# Allegro board LAY-90841_A4.brd (continued)
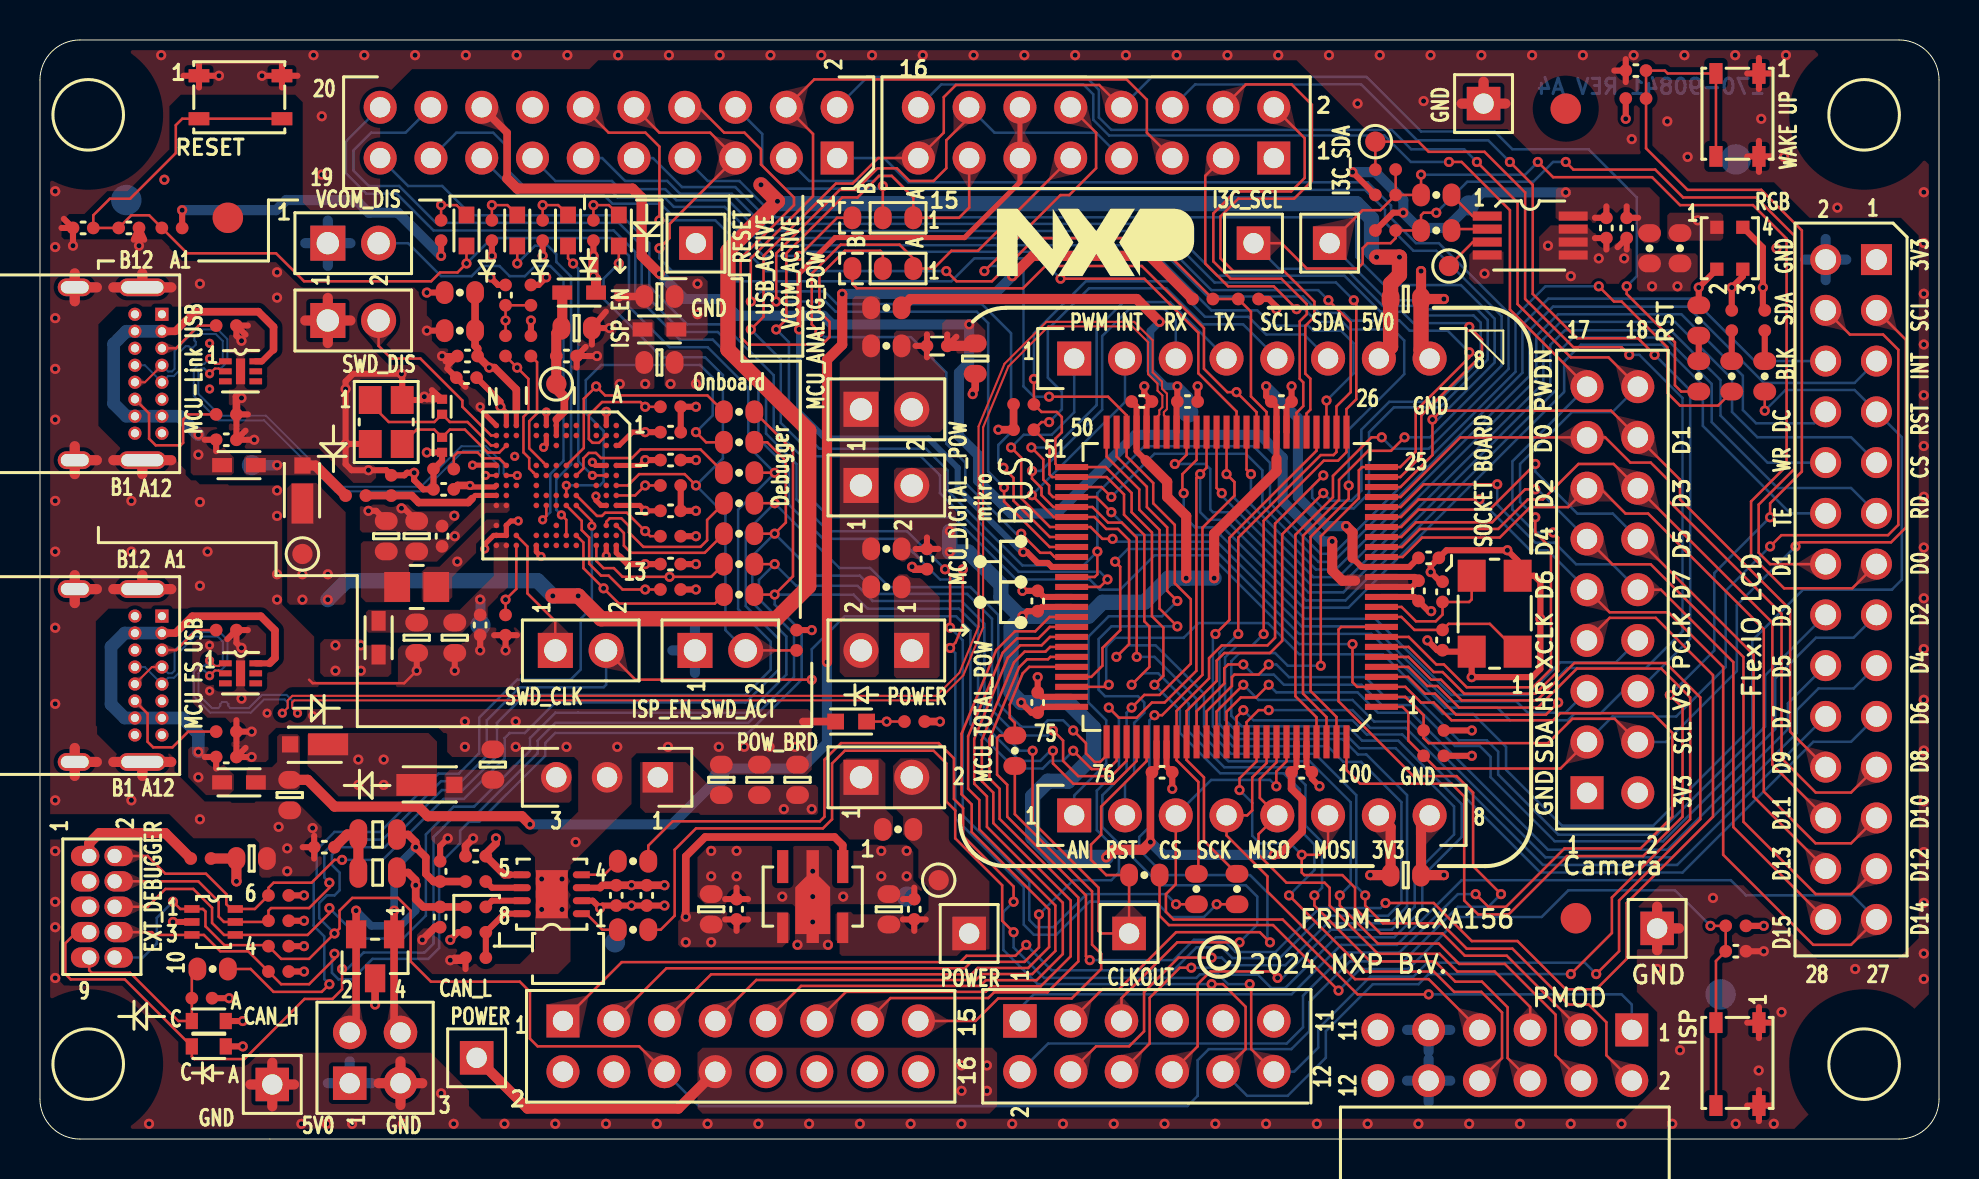
[diagram p0: board, top side]
## Routing (per net, layer and track width the routed paths; a pad name or vN(x,y) marks a point on that pad's centre or on a via; arc(x,y) is an arc through that point) (continued)
P2_10/LPUART2_TXD-ARD_D1_TX: length 29.1
  TOP w0.127: J1.4 60.33,52.77 62.61,52.77 63.63,51.76 63.63,47.95 62.74,47.06 59.94,47.06 59.05,46.17 59.05,44.07 59.69,43.43 62.23,43.43 63.75,41.91 63.75,41.15 63.3,40.69 63.3,38.3 63.55,38.05 63.55,36.5 63.36,36.31 U8.30
P2_11/LPUART2_RXD-ARD_D0_RX: length 24.2
  TOP w0.127: J1.2 63.27,50.08 63.27,48.1 62.59,47.42 59.8,47.42 58.7,46.32 58.7,43.92 59.56,43.05 62.1,43.05 63.37,41.78 63.37,41.27 63.02,40.92 63.02,38.04 63.2,37.87 63.2,36.68 62.86,36.34 U8.31
P2_12: length 47.9
  TOP w0.127: U8.34 61.36,36.38 60.58,37.16 60.58,41.4 R10.1 R8.2 55.63,45.09 49.78,45.09 47.62,42.93 45.85,42.93 v1(45.34,43.43) ; v1(30.99,45.97) 30.99,49.66 30.29,50.36 28.45,50.36 J2.12
  BOTTOM w0.127: v1(30.99,45.97) 33.78,45.97 36.32,43.43 v1(45.34,43.43)
P2_13/LPSPI1_SDO-ARD_D11: length 26.8
  TOP w0.127: U8.35 60.86,36.37 v1(59.86,37.38) 59.4,37.38 58.23,38.55 58.23,40.58 55.12,43.69 50.29,43.69 49.17,42.57 40.87,42.57 40.64,42.8 R60.3
P2_15/FXIO_LCD_INT: length 45.2
  TOP w0.127: v1(60.58,33.27) 60.36,33.5 U8.36
  BOTTOM w0.127: v1(60.58,33.27) 60.58,31.75 63.83,28.5 64.82,28.5 74.51,38.19 74.51,40.47 75.69,41.66 82.42,41.66 86.24,37.84 90.78,37.84 J8.5
P2_16: length 47.9
  TOP w0.127: v1(51.05,43.05) 55.24,43.05 57.95,40.35 57.95,38.32 59.86,36.41 U8.37 ; J2.10 30.99,50.36 33.53,50.36 J2.5 31.5,45.79 31.5,45.09 v1(30.99,44.58)
  BOTTOM w0.127: v1(30.99,44.58) 30.99,44.07 31.62,43.43 34.29,43.43 34.8,42.93 45.59,42.93 46.74,44.07 50.04,44.07 v1(51.05,43.05)
P2_17: length 87.9
  TOP w0.127: J4.3 53.15,7.5 53.98,7.5 56.83,10.35 61.02,10.35 v1(61.53,9.84) ; U8.38 v1(59.36,33.27) 59.75,32.88 59.75,32.19 58.15,30.59 58.15,23.23 56.13,21.21 v1(55.75,21.21)
  BOTTOM w0.127: v1(59.36,33.27) 59.75,32.88 59.75,32.07 63.71,28.12 64.95,28.12 74.86,38.03 74.86,40.19 75.95,41.27 82.11,41.27 85.19,38.2 85.19,36.48 85.85,35.81 88.75,35.81 J8.8 ; v1(55.75,21.21) 55.5,20.96 55.5,15.62 54.99,15.11 54.99,14.48 56.26,13.21 60.54,13.21 61.4,12.34 61.4,9.97 v1(61.53,9.84)
P2_19/FXIO_LCD_CS: length 48.5
  TOP w0.127: U8.39 58.86,32.58 v1(59.12,32.32)
  BOTTOM w0.127: v1(59.12,32.32) 59.12,32.19 63.58,27.74 65.11,27.74 75.2,37.83 75.2,40.03 76.07,40.89 81.79,40.89 84.65,38.04 84.65,36.39 85.91,35.12 90.6,35.12 J8.9
P2_20: length 105.2
  TOP w0.127: v1(49.97,11.24) 49.97,9.59 49.25,8.86 46.58,8.86 46.27,8.55 31.34,8.55 J3.3 ; U8.40 58.36,33.59 v1(58.04,33.27) 57.85,33.08 57.85,23.43 56.26,21.84 55.63,21.84 54.86,21.08 53.98,21.08 v1(53.47,21.59)
  BOTTOM w0.127: v1(53.47,21.59) 53.98,21.08 53.98,18.54 52.87,17.44 52.87,15.46 53.98,14.35 53.98,13.34 53.59,12.95 51.69,12.95 v1(49.97,11.24) ; v1(58.04,33.27) 58.04,31.37 58.42,30.99 59.31,30.99 63.34,26.95 65.31,26.95 75.9,37.55 75.9,39.32 76.69,40.11 81.3,40.11 83.63,37.78 83.63,35.88 86.93,32.58 90.6,32.58 J8.11
P2_21/FXIO_LCD_TE: length 49.6
  TOP w0.127: U8.41 57.86,33.98 57.15,33.27 57.15,32.38 v1(57.21,32.32)
  BOTTOM w0.127: J8.12 87.56,31.31 83.19,35.69 83.19,37.72 81.15,39.75 77.09,39.75 76.25,38.91 76.25,37.44 76.24,37.37 65.46,26.59 63.2,26.59 59.18,30.61 57.79,30.61 57.21,31.18 v1(57.21,32.32)
P2_23/FXIO_LCD_WR: length 48.7
  TOP w0.127: U8.42 57.36,34.24 56.9,33.78 v1(56.77,33.78)
  BOTTOM w0.127: J8.10 86.42,33.85 84.07,36.2 84.07,37.98 81.58,40.47 76.28,40.47 75.55,39.74 75.55,37.71 65.2,27.36 63.45,27.36 59.44,31.37 58.67,31.37 58.55,31.5 58.55,33.53 58.29,33.78 v1(56.77,33.78)
P3_0: length 73
  TOP w0.127: U8.73 53.36,22.63 v1(53.47,22.73) ; R72.1 v1(86.28,36.45)
  BOTTOM w0.127: v1(53.47,22.73) 53.34,22.86 53.34,24.64 53.78,25.08 57.21,25.08 57.95,25.82 61.43,25.82 62.99,24.26 67.18,24.26 70.17,21.27 71.69,21.27 73.34,19.62 73.34,18.48 76.14,15.68 80.71,15.68 85.66,20.64 85.66,24.96 88.2,27.5 92.65,27.5 93.14,27.99 93.14,35.12 J8.7 90.78,37.48 87.31,37.48 v1(86.28,36.45)
P3_0/PWM0_A0-BLED: length 1.5
  TOP w0.305: R72.2 R58.2
P3_1: length 90.1
  TOP w0.127: v1(73.53,48.89) 74.68,47.75 74.68,42.29 76.9,40.07 79.95,40.07 80.07,39.94 v1(80.77,39.24) ; U8.72 52.59,23.13 53.15,23.69 53.15,24.57 54.04,25.46 54.04,28.64 v1(53.78,28.89)
  BOTTOM w0.127: J1.6 57.79,52.77 66.1,52.77 68.9,49.97 72.45,49.97 v1(73.53,48.89) ; v1(80.77,39.24) 82.55,37.46 82.55,25.03 J9.6 79.18,22.41 78.05,21.28 76.75,21.28 76.43,20.96 73.53,20.96 72.9,21.59 70.29,21.59 66.6,25.28 62.98,25.28 58.74,29.53 54.42,29.53 v1(53.78,28.89)
P3_6: length 74.8
  TOP w0.127: J9.7 78.52,26.08 80.83,26.08 83.69,23.22 83.69,16.13 79.38,11.81 79.38,9.02 77.85,7.49 76.33,7.49 73.91,9.91 71.63,9.91 69.72,11.81 v1(67.31,11.81) ; v1(52.51,8.95) 52.32,9.14 52.32,12.19 48.39,16.13 48.39,17.73 47.88,18.24 47.88,20.07 48.01,20.19 R83.1 48.77,20.83 48.51,21.08 48.51,21.74 49.16,23.31 49.48,23.63 U8.71
  BOTTOM w0.127: v1(52.51,8.95) 56.71,8.95 57.72,9.97 59.19,9.97 59.8,9.36 61.81,9.36 64.01,11.56 67.06,11.56 v1(67.31,11.81)
P3_6/PWM0_A0-MC_PWM_AT: length 22.2
  TOP w0.127: J3.15 46.8,5.91 47.93,7.04 51.61,7.04 53.09,8.51 53.09,9.27 52.63,9.73 52.63,12.39 48.77,16.26 R83.2
P3_7/PWM0_B0-MC_PWM_AB: length 31.5
  TOP w0.127: J3.13 42.55,7.05 47.44,7.05 47.73,7.34 50.39,7.34 51.94,8.89 51.94,12.08 48.01,16.02 48.01,17.53 47.5,18.03 47.5,20.03 48.98,23.61 49.38,24.01 50.42,24.01 50.54,24.13 U8.70
P3_8/PWM0_A1-MC_PWM_BT: length 34.1
  TOP w0.127: U8.69 50.54,24.63 50.3,24.39 49.26,24.39 48.73,23.86 47.12,19.97 47.12,17.91 47.69,17.34 47.69,15.81 51.56,11.94 51.56,9.14 50.06,7.65 47.59,7.65 47.31,7.37 40.32,7.37 J3.11
P3_9/PWM0_B1-MC_PWM_BB: length 36.9
  TOP w0.127: J3.9 38.07,7.66 47.03,7.66 47.32,7.95 49.86,7.95 51.17,9.26 51.17,11.82 47.37,15.62 47.37,17.15 46.74,17.78 46.74,20.03 48.42,24.08 49.04,24.71 50.11,24.71 50.53,25.13 U8.68
P3_10/PWM0_A2-MC_PWM_CT: length 39.5
  TOP w0.127: U8.67 50.52,25.63 49.94,25.05 48.87,25.05 48.16,24.34 46.43,20.16 46.43,17.53 46.99,16.97 46.99,15.49 50.79,11.69 50.79,9.41 49.64,8.25 47.12,8.25 46.82,7.96 35.83,7.96 J3.7
P3_11/PWM0_B2-MC_PWM_CB: length 42.3
  TOP w0.127: U8.66 50.51,26.13 49.79,25.4 48.77,25.4 47.84,24.47 46.1,20.28 46.1,17.25 46.61,16.74 46.61,15.37 50.48,11.49 50.48,9.61 49.43,8.56 46.91,8.56 46.6,8.24 33.57,8.24 J3.5
P3_12: length 95.1
  TOP w0.127: R73.1 82.1,37.41 81.79,37.72 81.79,39.88 79.38,42.29 v1(79.38,42.67) ; U8.63 53.03,27.63 v1(53.4,28) ; J1.8 52.98,52.75 45.82,52.75 45.21,52.14 45.21,50.36 J1.15 41.93,49.09 40.65,47.82 39.81,47.82 36.2,44.2 36.2,41.15 v1(35.56,40.51)
  BOTTOM w0.127: v1(35.56,40.51) 37.06,39.01 37.06,35.84 38.73,34.16 44.07,34.16 45.02,33.21 45.02,32.32 48.96,28.38 53.02,28.38 v1(53.4,28) ; v1(79.38,42.67) 79.88,43.18 79.88,47.12 77.47,49.53 73.66,49.53 72.77,50.42 69.09,50.42 66.35,53.15 55.63,53.15 J1.8
P3_12/PWM1_A2-RLED: length 1.3
  TOP w0.305: R73.2 R52.2
P3_13: length 95.8
  TOP w0.127: v1(77.98,42.67) 78.74,41.91 79.12,41.91 81.41,39.62 81.41,37.34 82.04,36.7 83.95,36.7 84.63,37.39 R74.1 ; U8.62 52.76,28.13 52.9,28.26 v1(52.9,29.4) ; J1.13 46.48,46.61 45.97,46.1 R59.1 43.69,47.12 42.61,48.2 41.97,48.2 40.89,47.12 40.13,47.12 37.34,44.32 37.34,41.02 v1(36.83,40.51)
  BOTTOM w0.127: v1(36.83,40.51) 37.46,39.88 37.46,36.07 38.99,34.54 44.32,34.54 45.4,33.46 45.4,32.45 49.15,28.7 52.2,28.7 v1(52.9,29.4) 52.9,32.32 55.24,34.67 60.71,34.67 61.53,33.85 61.53,31.81 64.06,29.29 64.7,29.29 73.81,38.39 73.81,41.17 75.31,42.67 v1(77.98,42.67)
P3_13/PWM1_B2-GLED: length 1.5
  TOP w0.305: R74.2 R56.2
P3_14: length 41.1
  TOP w0.254: v1(37.97,40.51) 37.97,43.31 39.78,45.11 46.25,45.11 49.02,47.88 J1.11 J1.12
  TOP w0.305: v1(49.19,29.38) 49.36,29.38 49.91,28.83 50.42,28.83 50.62,28.63 U8.61
  BOTTOM w0.305: v1(49.19,29.38) 49.11,29.38 45.91,32.58 45.91,33.59 44.45,35.05 39.29,35.05 37.97,36.37 v1(37.97,40.51)
P3_15: length 39.7
  TOP w0.127: v1(38.99,40.39) 38.61,40.77 38.61,43.31 40.06,44.75 43,44.75 43.69,44.07 R60.1 44.7,43.56 45.59,44.45 46.92,44.45 J1.9 ; v1(49.09,30.29) 50.04,29.34 50.55,29.34 50.76,29.13 U8.60
  BOTTOM w0.127: v1(49.09,30.29) 48.83,30.29 46.29,32.83 46.29,33.85 45.34,34.8 45.34,38.35 43.56,40.13 39.24,40.13 v1(38.99,40.39)
P3_16: length 50
  TOP w0.127: v1(48.23,32.61) 48.23,31.91 50.51,29.63 U8.59 ; v1(36.83,41.91) 36.83,44.32 40,47.5 40.82,47.5 41.9,48.58 42.87,48.58 43.5,47.95 44.7,47.95 45.34,48.58 45.34,49.98 46.48,51.12 J1.14
  BOTTOM w0.127: J1.14 47.75,50.36 52.83,50.36 J1.7 ; v1(36.83,41.91) 39.29,41.91 39.8,41.4 46.86,41.4 47.43,40.83 47.43,33.4 v1(48.23,32.61)
P3_17: length 60.8
  TOP w0.127: v1(48.2,33.59) 48.7,33.08 48.7,31.94 50.52,30.13 U8.58 ; v1(35.56,41.91) 35.56,44.07 38.67,47.18 38.67,50.3 J2.4 38.73,53.03 54.36,53.03 55.37,52.01 55.37,50.36 J1.5
  BOTTOM w0.127: v1(35.56,41.91) 36.07,42.42 39.24,42.42 39.88,41.78 47.12,41.78 48.58,40.32 48.58,35.37 47.94,34.73 47.94,33.85 v1(48.2,33.59)
P3_18: length 42.5
  TOP w0.127: v1(53.66,30.04) 53.15,30.04 52.56,30.63 U8.57 50.53,30.63 49.09,32.07 49.09,34.1 v1(48.58,34.61)
  BOTTOM w0.127: J5.1 51.74,36.37 50.61,35.24 49.21,35.24 v1(48.58,34.61) ; J9.5 76.32,21.34 74.42,21.34 73.85,21.91 70.42,21.91 66.67,25.65 63.12,25.65 58.88,29.89 53.8,29.89 v1(53.66,30.04)
P3_19: length 60.6
  TOP w0.127: v1(49.62,32.22) 50.71,31.13 U8.56 52.74,31.13 53.34,30.53 53.92,30.53 54.48,29.97 54.48,24.77 v1(53.85,24.13) ; v1(66.29,12.19) 66.29,11.68 67.18,10.79 70.1,10.79 71.37,9.53 73.66,9.53 76.45,6.73 77.47,6.73 78.36,5.84 78.36,4.19 J7.2
  BOTTOM w0.127: v1(66.29,12.19) 65.85,12.64 65.85,17.21 63.78,19.28 59.59,19.28 58.23,20.64 58.23,22.29 55.82,24.7 54.42,24.7 v1(53.85,24.13) ; J5.2 54.28,36.88 v1(49.62,32.22)
P3_20: length 64.8
  TOP w0.127: v1(54.86,24.13) 54.86,30.1 54.11,30.85 53.43,30.85 52.65,31.63 U8.55 50.69,31.63 50.1,32.22 50.1,32.58 49.63,33.05 v1(49.63,33.43) ; J7.4 75.82,4.19 75.82,6.22 73.28,8.76 70.99,8.76 69.98,9.78 66.93,9.78 65.02,11.68 v1(65.02,12.19)
  BOTTOM w0.127: v1(65.02,12.19) 65.57,12.74 65.57,16.85 63.52,18.9 59.45,18.9 57.85,20.51 57.85,22.03 55.75,24.13 v1(54.86,24.13) ; J5.3 56.82,40.97 56.26,41.53 54.48,41.53 53.14,40.18 53.14,36.5 50.07,33.43 v1(49.63,33.43)
P3_21: length 53.6
  TOP w0.127: v1(49.59,34.61) 50.19,34.01 50.19,32.99 50.48,32.7 50.48,32.32 50.68,32.13 U8.54 52.84,32.13 v1(53.59,31.37)
  BOTTOM w0.127: v1(49.59,34.61) 50.74,34.61 52.86,36.73 52.86,40.54 54.2,41.88 56.53,41.88 J5.4 ; v1(53.59,31.37) 54.74,30.23 59.05,30.23 63.25,26.04 66.8,26.04 70.61,22.23 74.42,22.23 76.05,23.85 78.83,23.85 J9.8
P3_22/FXIO_LCD_GPIO: length 50.3
  TOP w0.127: v1(53.59,32.13) 53.1,32.63 U8.53
  BOTTOM w0.127: v1(53.59,32.13) 55.75,34.29 60.33,34.29 61.15,33.46 61.15,31.69 63.96,28.88 64.69,28.88 74.16,38.35 74.16,40.76 75.46,42.06 82.66,42.06 85.78,38.93 J8.6
P3_27: length 71.5
  TOP w0.127: v1(54.61,22.73) 55.5,23.62 55.5,25.65 55.24,25.91 55.24,30.23 54.23,31.24 54.23,32.26 53.36,33.13 U8.52 50.63,33.13 50.5,33.25 50.5,34.72 R85.2 50.1,35.88 v1(50.48,35.88) ; v1(63.75,12.19) 63.75,11.68 66.55,8.89 69.79,8.89 70.8,7.87 72.14,7.87 73.42,6.59 73.42,4.05 J7.6
  BOTTOM w0.127: v1(54.61,22.73) 55.18,23.3 55.94,23.3 57.47,21.78 57.47,20.38 59.25,18.61 62.42,18.61 63.31,17.72 63.31,15.69 64.13,14.86 64.13,12.57 v1(63.75,12.19) ; v1(50.48,35.88) 51.12,36.51 51.12,37.4 50.42,38.1 50.42,40.51 52.48,42.57 56.35,42.57 58.16,40.77 60.19,40.77 J5.5
P3_28: length 73.1
  TOP w0.127: v1(49.72,38.04) R86.2 50.1,36.39 50.86,36.39 51.12,36.13 51.12,35.37 50.8,35.05 50.8,33.78 50.95,33.63 U8.51 53.31,33.63 54.61,32.33 54.61,31.37 55.63,30.35 55.63,26.16 56.2,25.59 56.2,23.18 v1(55.75,22.73) ; J7.8 73.14,4.05 73.14,6.33 72.1,7.37 70.74,7.37 69.72,8.38 66.29,8.38 v1(62.48,12.19)
  BOTTOM w0.127: J5.6 63.24,40.26 61.34,40.26 60.45,41.15 58.28,41.15 56.5,42.93 52.32,42.93 49.72,40.32 v1(49.72,38.04) ; v1(62.48,12.19) 63.75,13.46 63.75,14.73 63.03,15.46 63.03,17.49 62.22,18.3 59.04,18.3 57.02,20.32 57.02,21.46 v1(55.75,22.73)
P3_29/GPIO-MIKROE: length 26.5
  TOP w0.127: U8.50 53.36,34.15 54.99,32.51 54.99,31.5 56.01,30.48 56.01,26.54 v1(56.9,25.65)
  BOTTOM w0.127: J6.2 54.28,17.83 54.74,18.29 54.74,20.83 55.24,21.34 55.24,21.84 54.93,22.16 53.28,22.16 52.96,22.48 52.96,25.02 53.59,25.65 v1(56.9,25.65)
P3_30/ADC1_A21-MIKROE_AN: length 24.9
  TOP w0.127: U8.49 53.86,34.15 55.37,32.64 55.37,31.62 56.39,30.61 56.39,27.43 v1(56.9,26.92)
  BOTTOM w0.127: J6.1 51.74,17.19 53.34,18.8 53.34,20.96 52.45,21.84 52.45,25.15 53.47,26.16 56.13,26.16 v1(56.9,26.92)
P3_31: length 69.3
  TOP w0.127: v1(50.48,37.15) 53.43,37.15 54.36,36.22 U8.48 54.36,34.16 55.69,32.83 55.69,31.81 56.77,30.73 56.77,27.81 57.57,27.01 57.57,23.79 56.01,22.23 55.24,22.23 v1(54.61,21.59) ; v1(47.24,43.43) 51.05,47.24 51.49,47.24 52.83,48.58 52.83,50.36 J1.10 ; J4.5 54.1,7.05 56.89,9.84 v1(60.01,9.84)
  BOTTOM w0.127: v1(50.48,37.15) 49.72,37.15 49.2,37.67 49.2,43.51 49.02,43.69 47.5,43.69 v1(47.24,43.43) ; v1(60.01,9.84) 60.9,10.73 60.9,12.13 60.33,12.7 56.06,12.7 53.15,15.61 53.15,17.21 54.36,18.41 54.36,21.34 v1(54.61,21.59)
P4_2/FXIO_D10: length 38.8
  TOP w0.127: J8.23 90.6,14.8 88.82,14.8 86.23,17.39 86.23,25.52 80.45,31.3 79.32,31.3 78.05,32.57 J9.13 76.44,31.62 74.55,31.62 73.02,30.1 69.14,30.1 68.17,29.13 U8.16
P4_3/FXIO_D11: length 35.4
  TOP w0.127: J8.24 86.66,18.74 86.66,25.84 J9.14 78.72,33.78 76.96,33.78 75.18,32 74.42,32 72.95,30.53 69.04,30.53 68.13,29.63 U8.17
P4_4/FXIO_D12: length 39.5
  TOP w0.127: v1(74.8,32.51) 74.3,32.51 72.64,30.86 68.83,30.86 68.1,30.13 U8.18 ; J8.25 90.6,12.26 88.83,12.26 85.22,15.88 85.22,24.12 80.58,28.76 78.66,28.76 J9.11
  BOTTOM w0.127: J9.11 74.91,32.51 v1(74.8,32.51)
P4_5/FXIO_D13: length 36.3
  TOP w0.127: J9.12 85.72,24.24 85.72,17.13 J8.26 ; v1(74.8,33.78) 72.52,31.5 68.96,31.5 68.09,30.63 U8.19
  BOTTOM w0.127: J9.12 79.93,30.05 78.68,31.3 76.9,31.3 74.8,33.4 v1(74.8,33.78)
P4_6: length 87.3
  TOP w0.127: J8.27 90.6,9.72 88.71,9.72 84.2,14.22 84.2,23.62 81.46,26.36 78.52,26.36 J9.9 ; U8.20 68.08,31.13 68.96,32 v1(72.01,32)
  BOTTOM w0.127: v1(72.01,32) 74.55,29.46 75.42,29.46 J9.9 ; J8.27 90.67,12.19 85.34,12.19 84.58,12.95 71.12,12.95 67.88,9.72 65.09,9.72 62.62,7.24 49.72,7.24 49.02,6.54 J4.1
P4_7/FXIO_D15: length 37.1
  TOP w0.127: v1(72.9,32.77) 69.22,32.77 68.08,31.63 U8.21 ; J9.10 81.08,27.49 84.71,23.87 84.71,15.61 J8.28
  BOTTOM w0.127: v1(72.9,32.77) 72.9,31.75 74.8,29.85 75.76,29.85 76.85,28.76 78.66,28.76 J9.10
P5-9V_VIN:
  vias: v1(37.21,16.51) v1(38.61,16.51)
PIO0_5-ISP_EN-LED_SWD_ACT: length 32.9
  TOP w0.127: R25.2 JP5.2 ; v1(32.81,32.71) 32.25,33.27 29.97,33.27 29.4,32.71 U3.A7 ; D6.C v1(28.96,43.81)
  BOTTOM w0.127: v1(28.96,43.81) 28.19,43.05 28.19,42.04 31.12,39.12 33.27,39.12 34.16,38.23 34.16,34.06 v1(32.81,32.71) 34.29,31.23 34.29,25.47 JP5.2
SYS_5V0: length 113.1
  TOP w0.305: 34.28,10.99 C2.1 ; C2.1 35.42,10.99 ; C2.1 34.85,10.42 ; U6.3 28.02,12.58
  TOP w0.381: U2.1 40.16,14.71 39.75,15.11 33.27,15.11 32.31,14.15 v1(32.31,11.12) ; v1(31.24,12.7) C50.1 v1(29.59,12.7) C49.1 28.14,12.7 28.02,12.58
  TOP w0.762: v1(25.65,27.18) v1(26.92,27.18) 28.07,26.04 36.83,26.04 38.46,27.66 38.46,35.46 34.42,39.5 34.42,44.45 v1(36.89,46.93) v1(36.07,47.75) ; J5.7 67.56,39.64 C48.1 67.56,42.8 68.01,43.24 v1(68.01,44.13) v1(66.87,44.13)
  BOTTOM w0.508: 14.4,2.79 J22.1 ; J22.1 16.59,2.79 ; J22.1 15.49,3.89
  BOTTOM w0.762: v1(68.01,44.13) v1(66.87,44.13) 66.61,44.39 66.61,46.05 65.85,46.81 37.01,46.81 v1(36.89,46.93) v1(36.07,47.75) ; v1(14.4,26.99) 15.35,27.94 24.89,27.94 v1(25.65,27.18) v1(26.92,27.18)
  vias: v1(13.13,28.26) v1(13.13,26.99) v1(14.4,28.26) v1(15.92,18.99) v1(15.92,17.72) v1(17.19,18.99) v1(17.19,17.72) v1(32.31,9.85) v1(33.58,9.85)
USB0_DM: length 82
  TOP w0.102: U8.44 56.36,36.09 56.22,36.22 56.22,36.37 56.38,36.53 56.38,37.31 56.13,37.55 56.13,37.9 55.66,38.37 55.66,39.97 54.74,40.89 50.35,40.89 48.25,38.79 46.95,35.66 46.95,25.65 45.99,23.33 44.84,22.18 12.62,22.18 12.39,21.94 12.39,21.58 v2(12.12,21.31) ; U7.1 9.07,23.8 8.95,23.68 8.75,23.68 v2(8.48,23.95)
  BOTTOM w0.102: J23.B7 5.25,23.62 J23.A7 6.41,23.08 6.7,23.08 6.96,23.34 6.96,24.36 7.75,25.15 8.89,25.15 9.14,24.89 9.14,23.88 8.95,23.68 8.75,23.68 v2(8.48,23.95) 8.22,23.68 7.98,23.68 7.7,23.39 7.7,22.15 8.51,21.34 10.54,21.34 11.2,22 12.24,22 12.39,21.85 12.39,21.58 v2(12.12,21.31)
USB0_DP: length 82
  TOP w0.102: J23.B6 5.6,23.62 J23.A6 ; U7.2 9.08,23.3 8.94,23.44 8.75,23.44 v2(8.48,23.18) ; U8.45 55.86,36.12 55.99,36.25 55.99,36.47 56.15,36.62 56.15,37.21 55.91,37.45 55.91,37.8 55.43,38.27 55.43,39.87 54.64,40.67 50.44,40.67 48.44,38.67 47.18,35.61 47.18,25.6 46.19,23.2 44.94,21.95 12.72,21.95 12.62,21.85 12.62,21.58 v2(12.88,21.31)
  BOTTOM w0.102: v2(12.88,21.31) 12.62,21.58 12.62,21.94 12.34,22.23 11.11,22.23 10.45,21.56 9.53,21.56 9.42,21.67 9.42,21.77 9.32,21.87 9.12,21.87 9.02,21.77 9.02,21.67 8.92,21.56 8.6,21.56 7.92,22.24 7.92,23.3 8.08,23.45 8.22,23.45 v2(8.48,23.18) 8.75,23.45 9.04,23.45 9.37,23.78 9.37,24.99 8.98,25.37 7.65,25.37 6.73,24.45 6.73,23.44 6.6,23.31 6.41,23.31 J23.A6
VREF_MCULINK: length 7.6
  TOP w0.254: U3.G2 U3.G1 25.83,36.01
  TOP w0.381: 25.83,36.01 26.23,36.41 26.23,37.13
  TOP w0.508: 26.23,37.13 25.83,37.53 TP6.1 C20.1 25.83,40.33 C21.1 26.13,40.62 L3.2
N84836: length 2.8
  TOP w0.127: R12.2 C19.1 v1(23.29,40.96) R13.1
N85250: length 2.2
  TOP w0.127: D5.A 23.38,46.74 v1(22.61,46.74) R14.2
N85474: length 2.2
  TOP w0.127: R15.2 v1(27.69,46.74) 28.46,46.74 D6.A
N85648:
  vias: v1(20.75,30.17)
N85680: length 2.2
  TOP w0.127: R16.2 v1(25.15,46.74) 25.92,46.74 D7.A
N85830:
  vias: v1(20.88,28.9)
N87448: length 6.8
  TOP w0.254: U3.N8 21.77,32.21 21.62,32.05
  TOP w0.381: 21.62,32.05 21.42,31.85 18.95,31.85 18.6,32.2 R20.1 R17.2
N112823: length 1.9
  TOP w0.127: R11.2 v1(42.35,20.89) D4.A
N301213: length 9.5
  TOP w0.127: J24.9 2.46,8.45 2.59,8.32 4.51,8.32 6.92,5.91 D8.C R44.1 7.6,8.23 R42.2
N383974: length 2.3
  TOP w0.305: R56.1 v1(84.63,42.61) 85.19,43.17 D12.3
N384008: length 4.6
  TOP w0.305: D12.4 86.19,44.62 v1(86.19,42.61) 86.19,41.56 R58.1
N384038: length 2.2
  TOP w0.305: D12.2 83.88,43.52 v1(82.98,42.61) R52.1
N479793:
  vias: v1(82.93,45.97)
N629677: length 2.2
  TOP w0.127: R49.2 v1(20.07,46.74) 20.84,46.74 D11.A
N1221514: length 2.4
  TOP w0.127: U5.3 71.68,44.89 TP4.1
N1409174: length 11.6
  TOP w0.127: v1(42.16,47.69) R59.2
  BOTTOM w0.127: J2.6 36.13,50.3 36.13,48.7 37.27,47.56 42.04,47.56 v1(42.16,47.69)
N1409188: length 28.4
  TOP w0.127: R60.2 42.16,44.32 42.04,44.45 40.26,44.45 38.99,43.18 38.99,41.4 39.5,40.89 39.5,40.13 39.12,39.75 35.43,39.75 35.05,40.13 35.05,44.07 37.72,46.74 37.72,47.12 36.07,48.77 36.07,49.53 35.24,50.36 34.23,50.36 32.96,51.63 J2.8
N1590729: length 20.3
  TOP w0.305: 8.81,34.42 C32.1 8.24,34.99 ; 11.68,39.5 11.1,38.92 U4.6
  TOP w0.381: 11.68,39.5 11.68,40.64 10.92,41.4 7.75,41.4 6.77,40.42 J21.A4
  BOTTOM w0.635: J21.A4 J21.B9 4.32,40.42 3.68,39.79 3.68,36.81 4.32,36.17 J21.B4 J21.A9 7,36.17 v1(7.92,35.25)
  vias: v1(7.92,34.25)
N1590769: length 3.2
  TOP w0.127: J21.A5 6.81,39.57 7.94,40.71 R18.1
N1590873: length 7.1
  TOP w0.127: R19.1 7.41,36.26 7.16,36.01 7.16,34.84 7.03,34.71 5.79,34.71 5.46,35.04 5.46,36.31 4.75,37.02 J21.B5
N16737461: length 3.5
  TOP w0.305: U6.8 23.23,11.28 R63.2 R67.1
N16737733: length 3.4
  TOP w0.508: C53.1 15.37,15.24 R68.1 R66.2
N16764659: length 21.5
  TOP w0.305: 8.24,19.12 C56.1 8.81,18.55 ; 11.49,23.8 U7.6
  TOP w0.381: J23.A4 6.78,25.32 7.62,26.16 11.05,26.16 11.75,25.46 11.75,24.07 11.49,23.8
  BOTTOM w0.635: v1(7.92,19.37) 7.92,20.27 7.13,21.07 J23.A9 J23.B4 4.24,21.07 3.56,21.75 3.56,24.64 4.24,25.32 J23.B9 J23.A4
  vias: v1(7.92,18.1)
N16764707: length 3.1
  TOP w0.127: J23.A5 6.82,24.47 7.81,25.47 R70.1
N16764881: length 6.2
  TOP w0.127: R71.1 7.41,20.39 6.63,19.6 5.66,19.6 5.38,19.88 5.38,21.29 J23.B5
N16766719: length 1.7
  TOP w0.305: 44.37,39.12 L1.2 ; L1.2 44.37,40.26 ; L1.2 43.8,39.69
N16904732: length 2.2
  TOP w0.127: R77.2 71.67,46.19 U5.1
N16904810: length 1.8
  TOP w0.127: R78.2 70.68,45.54 U5.2

## Copper pours and planes (outline as drawn; the poured copper is in the pictures)
GND on TOP: 33.02,37.46 31.5,37.46 31.24,37.72 31.24,39.37 31.37,39.5 33.02,39.5 33.15,39.37 33.15,37.59
GND on TOP: 44.12,12.52 44.12,11.88 43.99,11.75 39.67,11.75 39.55,11.62 39.55,9.97 39.67,9.85 39.67,9.59 39.55,9.47 37.77,9.47 37.64,9.59 37.64,9.85 37.77,9.97 37.77,11.62 37.64,11.75 33.27,11.75 32.89,12.13 32.89,14.67 33.15,14.93 39.16,14.93 39.67,14.42 41.09,14.42 41.4,14.73 43.43,14.73 43.69,14.48 43.69,12.95
GND on TOP: 16.13,31.75 17.78,31.75 17.91,31.88 18.29,31.88 18.67,31.5 20.83,31.5 20.95,31.37 20.95,30.99 20.32,30.35 16.13,30.35 16,30.48 16,31.62
GND on TOP: outline of 250 points within 0.51,0.51 94.49,54.49
GND on TOP: 75.56,45.72 77.34,45.72 77.72,45.34 79.5,45.34 79.63,45.21 79.63,43.43 78.99,42.8 71.75,42.8 71.5,43.05 71.5,44.32 71.63,44.45 74.3,44.45
GND on TOP: 28.83,42.8 30.48,42.8 30.73,42.54 30.73,41.66 30.61,41.53 29.34,41.53 28.83,41.02 28.83,40.39 28.19,39.75 28.19,38.61 28.07,38.48 26.67,38.48 26.54,38.61 26.54,39.5 27.18,40.13 27.18,41.02 27.81,41.66 28.32,41.66 28.7,42.04 28.7,42.67
GND on BOTTOM: 70.1,30.48 73.02,30.48 75.69,27.81 75.69,23.75 74.8,22.86 71.63,22.86 71.56,22.92 70.68,22.92 68.58,25.02 68.58,28.96
GND on BOTTOM: outline of 106 points within 0.51,0.51 94.49,54.49 ; 2 cut-outs
GND on BOTTOM: 21.46,15.49 22.16,15.49 25.78,19.11 25.78,19.43 26.29,19.94 37.85,19.94 38.1,19.68 38.1,19.3 37.85,19.05 35.94,19.05 35.81,18.92 35.81,12.95 35.43,12.57 33.27,12.57 32.38,13.46 28.57,13.46 26.29,11.18 21.46,11.18 21.21,11.43 21.21,15.24
GND on BOTTOM: 29.02,29.78 29.21,29.59 29.21,28.19 29.72,27.69 32.26,27.69 32.51,27.94 32.51,31.5 32.77,31.75 33.4,31.75 33.91,31.24 33.91,23.11 33.53,22.73 30.73,22.73 27.94,25.53 27.94,29.59 28.13,29.78
GND on BOTTOM: 72.14,46.23 79.12,46.23 79.5,45.85 79.5,43.18 79.25,42.93 72.01,42.93 71.75,43.18 71.75,45.85
GND on L3_PWR: 90.98,54.49 93,54.49 94.05,54.05 94.49,53 94.49,3.89 94.49,2 94.05,0.95 93,0.51 3.99,0.51 2,0.51 1.06,0.84 0.54,1.68 0.52,1.84 0.51,2 0.51,6.67 0.51,16 0.51,29.21 0.51,30.48 0.51,44.32 0.51,49.21 0.51,53 0.95,54.05 2,54.49 22.23,54.49 22.49,54.49 ; 1 cut-out
P5V_HDR_IN on TOP: 23.67,18.74 26.34,18.74 26.59,18.48 26.59,16.96 26.46,16.83 20.37,16.83 20.24,16.96 20.24,18.23 20.5,18.48 23.42,18.48
P5V_MCU_LINK_USB on TOP: 10.34,34.23 13.89,34.23 14.02,34.1 14.02,33.34 13.89,33.21 10.34,33.21 10.21,33.34 10.21,34.1
P5V_USB_FS on TOP: 11.99,20.26 12.88,20.26 13,20.13 13,17.59 12.88,17.47 10.46,17.47 10.34,17.59 10.34,18.48 10.46,18.61 11.61,18.61 11.86,18.86 11.86,20.13
VBAT_DCDC/VBAT_PMU on TOP: 16.43,26.48 21,26.48 22.69,28.17 22.69,29.8 22.76,29.86 23.34,29.86 23.42,29.79 23.42,27.63 22.4,26.61 22.4,26.1 22.27,25.98 21.77,25.98 21.13,25.34 16.43,25.34 16.3,25.47 16.3,26.36
VDD_BOARD on TOP: 42.67,16.13 42.67,15.24 42.42,14.99 40.26,14.99 40.01,15.24 40.01,18.8 40.26,19.05 42.04,19.05 42.29,18.8 42.29,16.51
VDD_BOARD on TOP: 16.38,24.71 17.45,24.71 17.57,24.58 17.57,23.29 17.4,23.11 14.22,23.11 14.02,23.32 14.02,24.81 14.22,25.02 16.07,25.02
VDD_BOARD on TOP: 80.01,44.32 82.8,44.32 82.93,44.2 82.93,42.8 82.55,42.42 80.01,42.42 79.88,42.54 79.88,44.2
VDD_BOARD on TOP: 33.4,40.26 33.15,40 31.5,40 31.24,40.26 31.24,42.93 31.5,43.18 33.15,43.18 33.4,42.93
VDD_BOARD on L3_PWR: 14.61,25.09 19.73,25.09 25.19,30.55 25.19,33.86 15.11,43.94 15.11,52.32 16.45,53.66 84.25,53.66 93.71,44.2 93.71,11.05 84,1.34 12.75,1.34 9.46,4.63 9.46,13.02 14.48,18.03 14.48,24.96
VDD_MCU on TOP: 42.85,33.6 45.13,33.6 45.39,33.34 45.39,31.82 45.85,31.36 45.85,29.34 45.53,29.02 43.5,29.02 43.37,28.9 43.1,28.9 42.72,29.28 42.72,33.47
VDD_P3T on TOP: 80.52,47.62 81.03,47.12 81.03,44.96 80.9,44.83 80.26,44.83 79.88,45.21 79.88,45.72 79.76,45.85 77.6,45.85 77.47,45.97 75.95,45.97 75.82,46.1 75.82,47.5 75.95,47.62
VDDA_MCU on TOP: 47.29,40.46 47.29,39.56 47.04,39.31 45.26,39.31 45.13,39.44 45.13,40.81 45.34,41.02 46.74,41.02
VDDA_MCU on TOP: 68.75,28.26 68.75,27.63 68.63,27.5 65.34,27.5 65.28,27.56 65.28,28.13 65.41,28.26
LDO_3V3 on TOP: 43.05,19.05 44.45,19.05 45.09,18.41 45.09,16.51 45.72,15.88 45.72,14.73 47.5,12.95 47.5,9.53 47.37,9.4 46.1,9.4 45.85,9.14 40.13,9.14 40,9.28 40,9.77 39.8,9.97 39.8,11.24 39.93,11.37 40.56,11.37 40.69,11.24 44.26,11.24 44.45,11.43 44.45,12.57 43.94,13.08 43.94,14.48 43.18,15.24 43.18,16.13 42.67,16.64 42.67,18.67
LDO_3V3 on TOP: 42.97,28.26 43.86,28.26 45.01,27.12 45.01,23.18 44.88,23.05 42.85,23.05 42.72,23.18 42.72,28.01
LDO_3V3 on TOP: 33.15,4.57 47.62,4.57 47.88,4.32 47.88,1.65 47.5,1.27 33.15,1.27 32.89,1.52 32.89,4.32
LDO_3V3 on BOTTOM: 45.09,13.59 45.09,25.15 44.83,25.4 42.8,25.4 42.55,25.15 42.55,16.38 42.61,16.32 42.61,11.62 45.85,8.38 45.85,2.16 45.97,2.03 47.75,2.03 48.01,2.29 48.01,10.67
MCU_LINK_3V3 on TOP: 28.83,37.46 28.7,37.59 28.7,39.75 29.08,40.13 29.08,40.89 29.21,41.02 30.61,41.02 30.73,40.89 30.73,37.59 30.61,37.46
MCU_LINK_3V3 on BOTTOM: 24.71,43.37 25.45,43.37 25.58,43.25 25.58,36.9 26.03,36.44 26.03,32.12 26.08,32.07 26.34,32.33 27.81,32.33 28.7,33.21 28.7,38.1 28.96,38.35 32.26,38.35 32.38,38.23 32.38,28.45 32.13,28.19 29.77,28.19 29.51,28.45 29.51,29.79 28.83,30.47 27.28,30.47 26.72,29.91 23.3,29.91 21.21,32 21.21,32.89 21.34,33.02 21.72,33.02 22.1,32.64 23.88,32.64 24.26,33.02 24.26,34.54 22.72,36.08 22.72,37.09 23.8,38.17 23.8,42.47
MCU_VDD_P3V3 on TOP: 41.96,37.39 41.96,23.29 41.78,23.11 40.26,23.11 40.01,23.37 40.01,38.86 40.64,39.5 40.64,42.04 40.77,42.16 41.91,42.16 42.04,42.04 42.04,40.28 42.03,40.27 42.03,37.46
P5-9V_VIN on TOP: 30.02,18.86 32.31,18.86 33.45,17.72 38.79,17.72 38.99,17.53 38.99,16.38 38.8,16.2 33.07,16.2 32.94,16.32 30.27,16.32 30.02,16.58
P5-9V_VIN on BOTTOM: 40.39,17.4 42.04,15.75 42.04,11.56 45.47,8.13 45.47,2.41 45.09,2.03 42.42,2.03 38.99,5.46 38.99,7.11 36.32,9.78 36.32,16.89 36.83,17.4
SYS_5V0 on TOP: 12.62,32.83 13.82,32.83 15.29,31.37 15.29,26.86 15.16,26.74 12.49,26.74 12.37,26.86 12.37,32.58
SYS_5V0 on TOP: 19.86,17.32 19.68,17.14 14.91,17.14 13.38,18.67 13.38,20.24 13.46,20.32 19.43,20.32 19.86,19.89
SYS_5V0 on TOP: 37.39,11.37 37.51,11.24 37.51,9.97 37.13,9.59 32.05,9.59 31.93,9.72 31.93,11.24 32.05,11.37
SYS_5V0 on BOTTOM: 18.92,7.62 20.07,8.76 24.26,8.76 28.57,13.08 31.88,13.08 38.1,6.86 38.1,2.29 37.85,2.03 35.18,2.03 34.29,2.92 28.83,2.92 27.43,1.52 14.22,1.52 12.7,3.05 12.7,5.46 10.67,7.49 10.67,16.23 14.15,19.71 14.15,22.94 12.62,24.46 12.62,27.5 12.63,27.51 12.63,28.37 12.83,28.57 17.27,28.57 17.57,28.27 17.57,17.65 17.55,17.63 17.55,17.04 16.26,15.75 14.86,15.75 13.21,14.1 13.21,10.92 13.97,10.16 13.97,8.26 14.61,7.62
N85648 on TOP: 19.48,29.91 19.61,30.04 20.24,30.04 22.05,31.84 23.44,31.84 23.49,31.79 23.49,31.46 23.37,31.34 22.3,31.34 19.86,28.9 18.72,28.9 18.46,28.64 18.46,26.99 18.34,26.86 16.3,26.86 16.05,27.12 16.05,29.79 16.18,29.91
N85830 on TOP: 22.99,30.62 22.93,30.57 22.6,30.57 21.82,29.79 21.82,29.33 20.62,28.13 20.62,27.12 20.37,26.86 19.23,26.86 19.1,26.99 19.1,28.39 19.35,28.64 19.99,28.64 22.35,31.01 22.93,31.01 22.99,30.95
N479793 on TOP: 84.2,46.23 84.2,45.09 84.07,44.96 81.53,44.96 81.41,45.09 81.41,46.23 81.53,46.35 84.07,46.35
N1590729 on TOP: 7.8,35.63 8.81,35.63 9.07,35.37 9.07,34.74 9.7,34.1 9.7,33.34 9.57,33.21 7.67,33.21 7.54,33.34 7.54,35.37
